# Altium PCB STM32F207VC.PcbDoc (part 5 of 16) (continued)
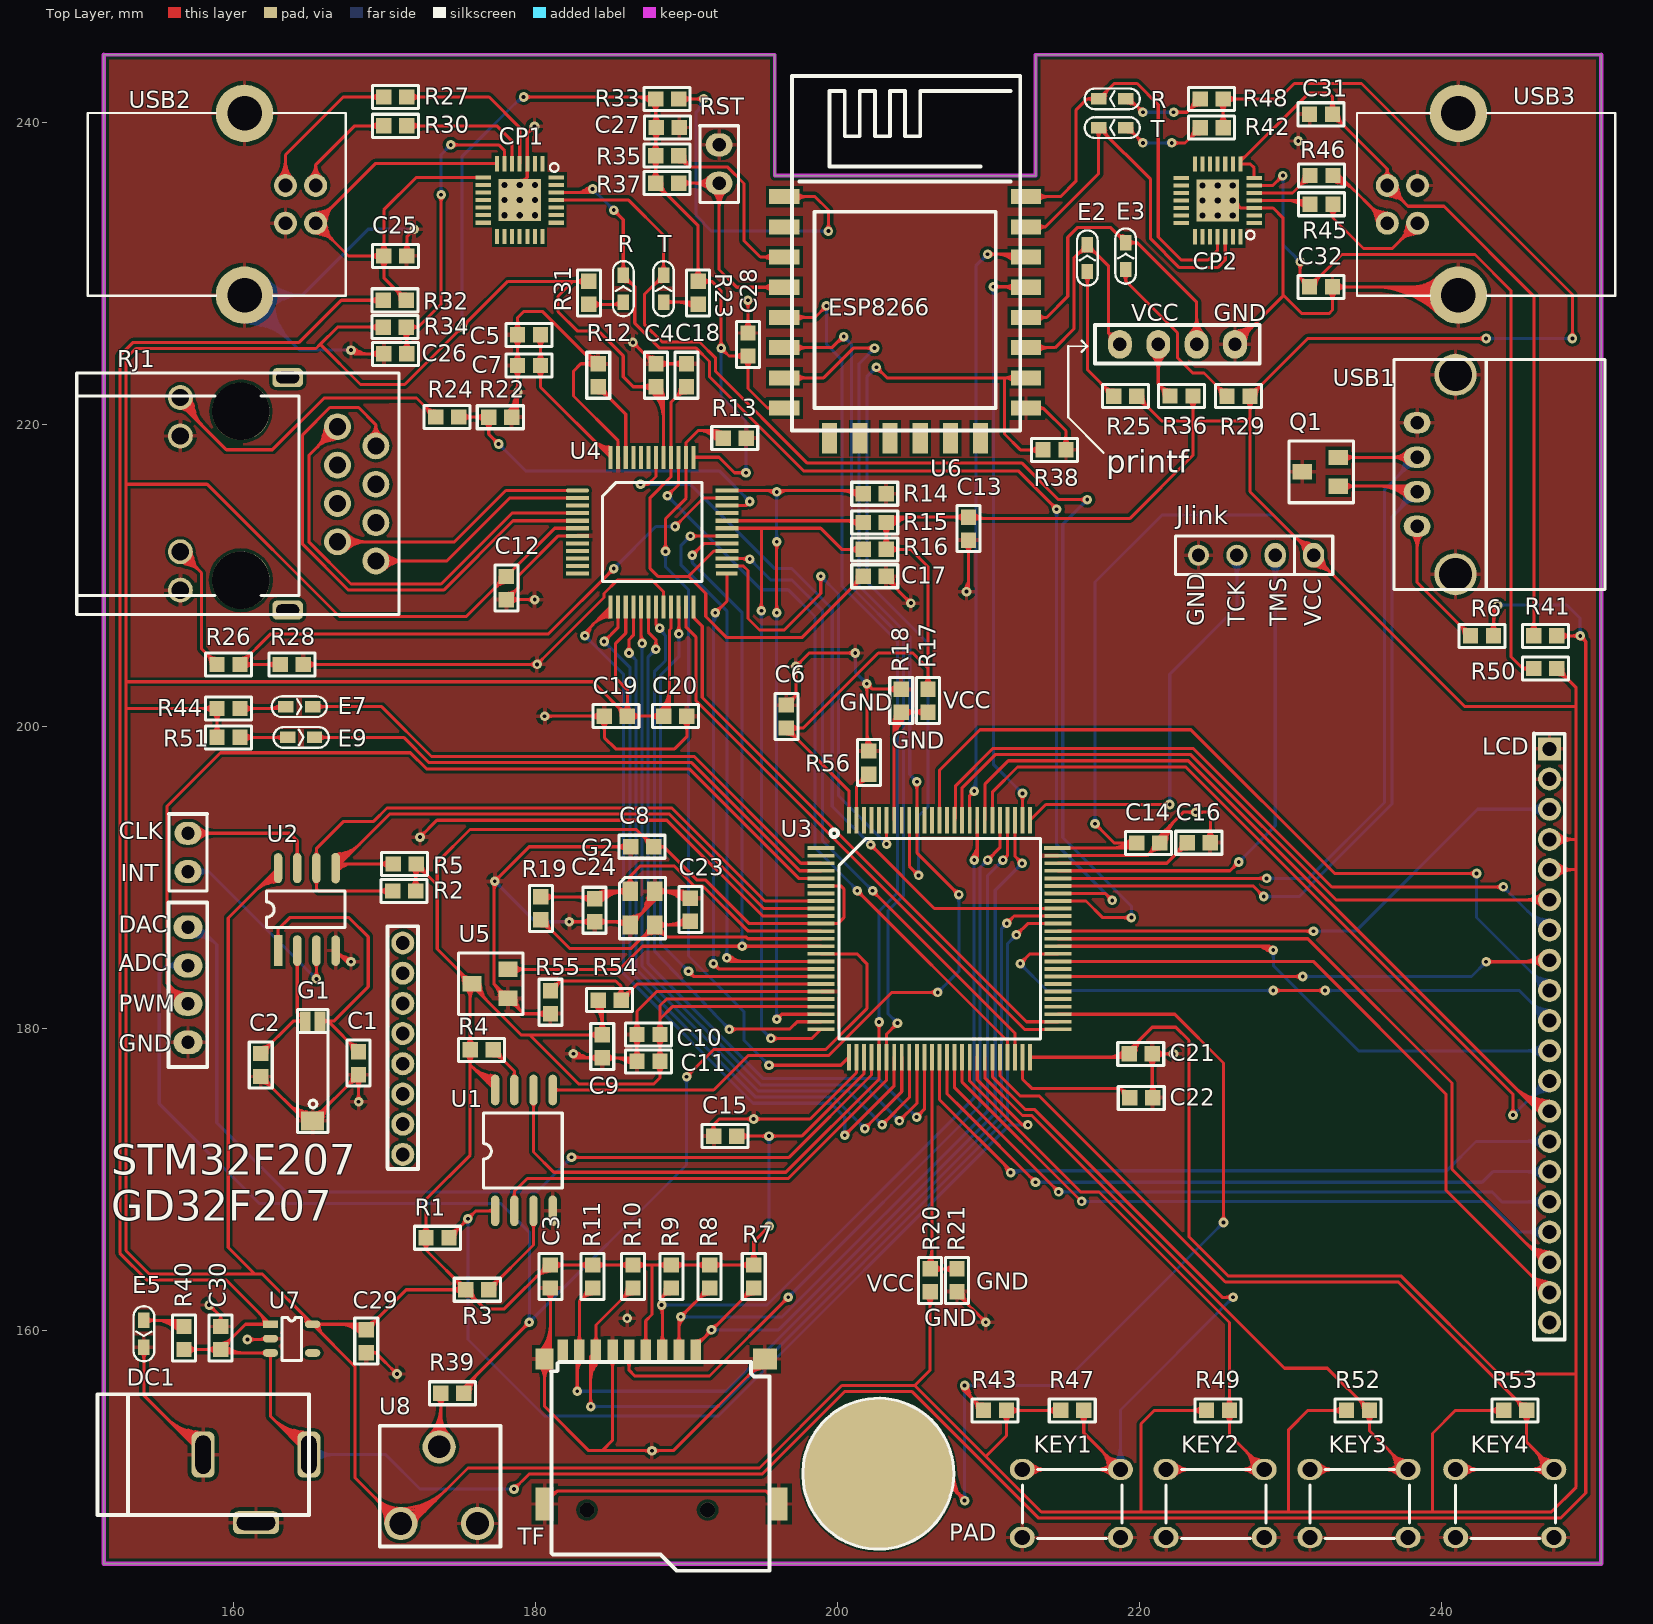
[diagram p0: Top Layer view]
## Nets (pads, with @x,y where several pads share a name; then routed paths per layer and width w, separated by ;. In a path a pad name is that pad's centre, name@x,y a point inside that pad or via, vN(x,y) a via of type N, cw(c..) or ccw(c..) an arc to the next point about the centre after c; other vN are vias at no path point) (continued)
cw(c186.15,177.249) C11.2@186.707,177.806 ; 186.17,177.89 cw(c186.014,177.62) C11.2@186.315,177.701 ; 186.17,177.89 cw(c186.014,177.62) C11.2@186.315,177.701 ; 186.17,177.89 cw(c186.014,177.62) C11.2@186.315,177.701 ; 186.17,177.89 cw(c186.014,177.62) C11.2@186.315,177.701 ; 186.17,177.89 cw(c186.014,177.62) C11.2@186.315,177.701 ; 186.17,177.89 cw(c186.014,177.62) C11.2@186.315,177.701 ; G2.2@186.258,186.969 cw(c187.064,186.718) 186.846,187.533 ; G2.2@186.258,186.969 cw(c187.064,186.718) 186.846,187.533 ; G2.2@186.258,186.969 cw(c187.064,186.718) 186.846,187.533 ; G2.2@186.258,186.969 cw(c187.064,186.718) 186.846,187.533 ; G2.2@186.258,186.969 cw(c187.064,186.718) 186.846,187.533 ; G2.2@186.258,186.969 cw(c187.064,186.718) 186.846,187.533 ; G2.2@186.258,187.173 ccw(c186.258,187.97) 186.822,187.406 ; G2.2@186.258,187.173 ccw(c186.258,187.97) 186.822,187.406 ; G2.2@186.258,187.173 ccw(c186.258,187.97) 186.822,187.406 ; G2.2@186.258,187.173 ccw(c186.258,187.97) 186.822,187.406 ; G2.2@186.258,187.376 ccw(c186.258,188.664) 187.169,187.753 ; G2.2@186.258,187.376 ccw(c186.258,188.664) 187.169,187.753 ; G2.2@186.258,187.376 ccw(c186.258,188.664) 187.169,187.753 ; G2.2@186.258,187.376 ccw(c186.258,188.664) 187.169,187.753 ; C11.2@186.42,178.093 ccw(c185.726,178.787) 186.707,178.787 ; C11.2@186.42,178.093 ccw(c185.726,178.787) 186.707,178.787 ; C11.2@186.42,178.093 ccw(c185.726,178.787) 186.707,178.787 ; C11.2@186.42,178.093 ccw(c185.726,178.787) 186.707,178.787 ; C10.2@186.42,179.297 cw(c185.726,178.603) 186.707,178.603 ; C10.2@186.42,179.297 cw(c185.726,178.603) 186.707,178.603 ; C10.2@186.42,179.297 cw(c185.726,178.603) 186.707,178.603 ; C10.2@186.42,179.297 cw(c185.726,178.603) 186.707,178.603 ; C10.2@186.42,179.871 ccw(c185.726,180.565) 186.707,180.565 ; C10.2@186.42,179.871 ccw(c185.726,180.565) 186.707,180.565 ; C10.2@186.42,179.871 ccw(c185.726,180.565) 186.707,180.565 ; C10.2@186.42,179.871 ccw(c185.726,180.565) 186.707,180.565 ; v1@186.433,225.413 cw(c186.356,225.033) 186.73,225.133 ; v1@186.433,225.413 cw(c186.356,225.033) 186.73,225.133 ; v1@186.433,225.413 cw(c186.356,225.033) 186.73,225.133 ; v1@186.433,225.413 cw(c186.356,225.033) 186.73,225.133 ; v1@186.433,225.413 cw(c186.356,225.033) 186.73,225.133 ; v1@186.433,225.413 cw(c186.356,225.033) 186.73,225.133 ; v1@186.436,225.209 cw(c186.436,224.688) 186.805,225.056 ; v1@186.436,225.209 cw(c186.436,224.688) 186.805,225.056 ; v1@186.436,225.209 cw(c186.436,224.688) 186.805,225.056 ; v1@186.436,225.209 cw(c186.436,224.688) 186.805,225.056 ; v1@186.448,225.428 ccw(c186.828,225.505) 186.728,225.131 ; v1@186.448,225.428 ccw(c186.828,225.505) 186.728,225.131 ; v1@186.448,225.428 ccw(c186.828,225.505) 186.728,225.131 ; v1@186.448,225.428 ccw(c186.828,225.505) 186.728,225.131 ; v1@186.448,225.428 ccw(c186.828,225.505) 186.728,225.131 ; v1@186.448,225.428 ccw(c186.828,225.505) 186.728,225.131 ; v1@186.652,225.425 ccw(c187.173,225.425) 186.805,225.056 ; v1@186.652,225.425 ccw(c187.173,225.425) 186.805,225.056 ; v1@186.652,225.425 ccw(c187.173,225.425) 186.805,225.056 ; v1@186.652,225.425 ccw(c187.173,225.425) 186.805,225.056 ; G2.2@186.665,186.969 cw(c187.339,186.969) 186.862,187.446 ; G2.2@186.665,186.969 cw(c187.339,186.969) 186.862,187.446 ; G2.2@186.665,186.969 cw(c187.339,186.969) 186.862,187.446 ; G2.2@186.665,186.969 cw(c187.339,186.969) 186.862,187.446 ; 186.707,178.603 cw(c187.689,178.603) C10.2@186.995,179.297 ; 186.707,178.603 cw(c187.689,178.603) C10.2@186.995,179.297 ; 186.707,178.603 cw(c187.689,178.603) C10.2@186.995,179.297 ; 186.707,178.603 cw(c187.689,178.603) C10.2@186.995,179.297 ; 186.707,178.787 ccw(c187.689,178.787) C11.2@186.995,178.093 ; 186.707,178.787 ccw(c187.689,178.787) C11.2@186.995,178.093 ; 186.707,178.787 ccw(c187.689,178.787) C11.2@186.995,178.093 ; 186.707,178.787 ccw(c187.689,178.787) C11.2@186.995,178.093 ; 186.707,180.565 ccw(c187.689,180.565) C10.2@186.995,179.871 ; 186.707,180.565 ccw(c187.689,180.565) C10.2@186.995,179.871 ; 186.707,180.565 ccw(c187.689,180.565) C10.2@186.995,179.871 ; 186.707,180.565 ccw(c187.689,180.565) C10.2@186.995,179.871 ; 186.849,187.433 ccw(c185.331,188.951) G2.4@187.477,188.951 ; 186.849,187.433 ccw(c185.331,188.951) G2.4@187.477,188.951 ; 186.849,187.433 ccw(c185.331,188.951) G2.4@187.477,188.951 ; 186.849,187.433 ccw(c185.331,188.951) G2.4@187.477,188.951 ; 187.075,224.786 ccw(c187.966,225.677) C4.2@187.966,224.417 ; 187.075,224.786 ccw(c187.966,225.677) C4.2@187.966,224.417 ; 187.075,224.786 ccw(c187.966,225.677) C4.2@187.966,224.417 ; 187.075,224.786 ccw(c187.966,225.677) C4.2@187.966,224.417 ; 187.185,152.019 cw(c187.185,151.498) v1@187.553,151.866 ; 187.185,152.019 ccw(c187.185,152.54) v1@187.553,152.172 ; 187.185,152.019 cw(c187.185,151.498) v1@187.553,151.866 ; 187.185,152.019 ccw(c187.185,152.54) v1@187.553,152.172 ; 187.185,152.019 ccw(c187.185,152.54) v1@187.553,152.172 ; 187.185,152.019 cw(c187.185,151.498) v1@187.553,151.866 ; 187.185,152.019 ccw(c187.185,152.54) v1@187.553,152.172 ; 187.185,152.019 cw(c187.185,151.498) v1@187.553,151.866 ; 187.196,187.78 ccw(c186.025,188.951) G2.4@187.681,188.951 ; 187.196,187.78 ccw(c186.025,188.951) G2.4@187.681,188.951 ; 187.196,187.78 ccw(c186.025,188.951) G2.4@187.681,188.951 ; 187.196,187.78 ccw(c186.025,188.951) G2.4@187.681,188.951 ; 187.264,188.152 cw(c188.521,187.816) G2.4@187.884,188.951 ; 187.264,188.152 cw(c188.521,187.816) G2.4@187.884,188.951 ; 187.264,188.152 cw(c188.521,187.816) G2.4@187.884,188.951 ; 187.264,188.152 cw(c188.521,187.816) G2.4@187.884,188.951 ; 187.264,188.152 cw(c188.521,187.816) G2.4@187.884,188.951 ; 187.264,188.152 cw(c188.521,187.816) G2.4@187.884,188.951 ; 187.354,224.507 cw(c186.857,224.011) C4.2@187.56,224.011 ; 187.354,224.507 cw(c186.857,224.011) C4.2@187.56,224.011 ; 187.354,224.507 cw(c186.857,224.011) C4.2@187.56,224.011 ; 187.354,224.507 cw(c186.857,224.011) C4.2@187.56,224.011 ; 187.385,224.573 cw(c187.17,223.769) C4.2@187.966,224.011 ; 187.385,224.573 cw(c187.17,223.769) C4.2@187.966,224.011 ; 187.385,224.573 cw(c187.17,223.769) C4.2@187.966,224.011 ; 187.385,224.573 cw(c187.17,223.769) C4.2@187.966,224.011 ; 187.385,224.573 cw(c187.17,223.769) C4.2@187.966,224.011 ; 187.385,224.573 cw(c187.17,223.769) C4.2@187.966,224.011 ; G2.4@187.388,188.618 cw(c188.191,188.403) G2.4@187.784,189.128 ; G2.4@187.388,188.618 cw(c188.191,188.403) G2.4@187.784,189.128 ; G2.4@187.388,188.618 cw(c188.191,188.403) G2.4@187.784,189.128 ; G2.4@187.388,188.618 cw(c188.191,188.403) G2.4@187.784,189.128 ; G2.4@187.388,188.618 cw(c188.191,188.403) G2.4@187.784,189.128 ; G2.4@187.388,188.618 cw(c188.191,188.403) G2.4@187.784,189.128 ; 187.422,224.439 ccw(c187.966,224.983) C4.2@187.966,224.214 ; 187.422,224.439 ccw(c187.966,224.983) C4.2@187.966,224.214 ; 187.422,224.439 ccw(c187.966,224.983) C4.2@187.966,224.214 ; 187.422,224.439 ccw(c187.966,224.983) C4.2@187.966,224.214 ; 187.48,188.201 cw(c188.306,187.98) G2.4@187.965,188.764 ; 187.48,188.201 cw(c188.306,187.98) G2.4@187.965,188.764 ; 187.48,188.201 cw(c188.306,187.98) G2.4@187.965,188.764 ; 187.48,188.201 cw(c188.306,187.98) G2.4@187.965,188.764 ; 187.48,188.201 cw(c188.306,187.98) G2.4@187.965,188.764 ; 187.48,188.201 cw(c188.306,187.98) G2.4@187.965,188.764 ; G2.4@187.532,188.747 cw(c187.263,188.592) G2.4@187.563,188.511 ; G2.4@187.532,188.747 cw(c187.263,188.592) G2.4@187.563,188.511 ; G2.4@187.532,188.747 cw(c187.263,188.592) G2.4@187.563,188.511 ; G2.4@187.532,188.747 cw(c187.263,188.592) G2.4@187.563,188.511 ; G2.4@187.532,188.747 cw(c187.263,188.592) G2.4@187.563,188.511 ; G2.4@187.532,188.747 cw(c187.263,188.592) G2.4@187.563,188.511 ; 187.543,188.127 ccw(c186.719,188.951) G2.4@187.884,188.951 ; 187.543,188.127 ccw(c186.719,188.951) G2.4@187.884,188.951 ; 187.543,188.127 ccw(c186.719,188.951) G2.4@187.884,188.951 ; 187.543,188.127 ccw(c186.719,188.951) G2.4@187.884,188.951 ; G2.4@187.639,188.626 cw(c187.492,188.431) 187.728,188.368 ; G2.4@187.639,188.626 cw(c187.492,188.431) 187.728,188.368 ; G2.4@187.639,188.626 cw(c187.492,188.431) 187.728,188.368 ; G2.4@187.639,188.626 cw(c187.492,188.431) 187.728,188.368 ; G2.4@187.639,188.626 cw(c187.492,188.431) 187.728,188.368 ; G2.4@187.639,188.626 cw(c187.492,188.431) 187.728,188.368 ; 187.728,188.368 cw(c187.964,188.305) G2.4@187.934,188.547 ; 187.728,188.368 cw(c187.964,188.305) G2.4@187.934,188.547 ; 187.728,188.368 cw(c187.964,188.305) G2.4@187.934,188.547 ; 187.728,188.368 cw(c187.964,188.305) G2.4@187.934,188.547 ; 187.728,188.368 cw(c187.964,188.305) G2.4@187.934,188.547 ; 187.728,188.368 cw(c187.964,188.305) G2.4@187.934,188.547 ; C4.2@187.738,224.478 cw(c187.582,223.894) C4.2@188.16,224.07 ; C4.2@187.738,224.478 cw(c187.582,223.894) C4.2@188.16,224.07 ; C4.2@187.738,224.478 cw(c187.582,223.894) C4.2@188.16,224.07 ; C4.2@187.738,224.478 cw(c187.582,223.894) C4.2@188.16,224.07 ; C4.2@187.738,224.478 cw(c187.582,223.894) C4.2@188.16,224.07 ; C4.2@187.738,224.478 cw(c187.582,223.894) C4.2@188.16,224.07 ; v1@187.859,151.866 cw(c188.227,151.498) 188.227,152.019 ; v1@187.859,151.866 cw(c188.227,151.498) 188.227,152.019 ; v1@187.859,151.866 cw(c188.227,151.498) 188.227,152.019 ; v1@187.859,151.866 cw(c188.227,151.498) 188.227,152.019 ; v1@187.859,152.172 ccw(c188.227,152.54) 188.227,152.019 ; v1@187.859,152.172 ccw(c188.227,152.54) 188.227,152.019 ; v1@187.859,152.172 ccw(c188.227,152.54) 188.227,152.019 ; v1@187.859,152.172 ccw(c188.227,152.54) 188.227,152.019 ; G2.4@188.136,189.078 cw(c188.136,186.508) C23.1@189.953,188.325 ; G2.4@188.136,189.078 cw(c188.136,186.508) C23.1@189.953,188.325 ; G2.4@188.136,189.078 cw(c188.136,186.508) C23.1@189.953,188.325 ; G2.4@188.136,189.078 cw(c188.136,186.508) C23.1@189.953,188.325 ; G2.4@188.171,188.79 cw(c188.865,188.096) 188.865,189.078 ; G2.4@188.171,188.79 cw(c188.865,188.096) 188.865,189.078 ; G2.4@188.171,188.79 cw(c188.865,188.096) 188.865,189.078 ; G2.4@188.171,188.79 cw(c188.865,188.096) 188.865,189.078 ; G2.4@188.171,189.365 ccw(c188.865,190.059) 188.865,189.078 ; G2.4@188.171,189.365 ccw(c188.865,190.059) 188.865,189.078 ; G2.4@188.171,189.365 ccw(c188.865,190.059) 188.865,189.078 ; G2.4@188.171,189.365 ccw(c188.865,190.059) 188.865,189.078 ; G2.4@188.215,189.185 ccw(c188.549,189.422) 188.48,189.019 ; G2.4@188.215,189.185 ccw(c188.549,189.422) 188.48,189.019 ; G2.4@188.215,189.185 ccw(c188.549,189.422) 188.48,189.019 ; G2.4@188.215,189.185 ccw(c188.549,189.422) 188.48,189.019 ; G2.4@188.215,189.185 ccw(c188.549,189.422) 188.48,189.019 ; G2.4@188.215,189.185 ccw(c188.549,189.422) 188.48,189.019 ; G2.4@188.215,189.185 ccw(c188.549,189.422) 188.48,189.019 ; G2.4@188.215,189.185 ccw(c188.549,189.422) 188.48,189.019 ; C4.2@188.253,223.723 cw(c188.947,223.029) 188.947,224.011 ; C4.2@188.253,223.723 cw(c188.947,223.029) 188.947,224.011 ; C4.2@188.253,223.723 cw(c188.947,223.029) 188.947,224.011 ; C4.2@188.253,223.723 cw(c188.947,223.029) 188.947,224.011 ; C4.2@188.253,224.298 ccw(c188.947,224.992) 188.947,224.011 ; C4.2@188.253,224.298 ccw(c188.947,224.992) 188.947,224.011 ; C4.2@188.253,224.298 ccw(c188.947,224.992) 188.947,224.011 ; C4.2@188.253,224.298 ccw(c188.947,224.992) 188.947,224.011 ; G2.4@188.278,188.854 cw(c188.484,188.803) 188.52,189.012 ; G2.4@188.278,188.854 cw(c188.484,188.803) 188.52,189.012 ; G2.4@188.278,188.854 cw(c188.484,188.803) 188.52,189.012 ; G2.4@188.278,188.854 cw(c188.484,188.803) 188.52,189.012 ; G2.4@188.278,188.854 cw(c188.484,188.803) 188.52,189.012 ; G2.4@188.278,188.854 cw(c188.484,188.803) 188.52,189.012 ; G2.4@188.278,188.854 cw(c188.484,188.803) 188.52,189.012 ; G2.4@188.278,188.854 cw(c188.484,188.803) 188.52,189.012 ; 188.626,189.078 cw(c188.626,186.999) C23.1@190.096,188.469 ; 188.626,189.078 cw(c188.626,186.999) C23.1@190.096,188.469 ; 188.626,189.078 cw(c188.626,186.999) C23.1@190.096,188.469 ; 188.626,189.078 cw(c188.626,186.999) C23.1@190.096,188.469 ; 189.005,224.011 cw(c189.005,223.029) C18.1@189.699,223.723 ; 189.005,224.011 ccw(c189.005,224.992) C18.1@189.699,224.298 ; 189.005,224.011 cw(c189.005,223.029) C18.1@189.699,223.723 ; 189.005,224.011 ccw(c189.005,224.992) C18.1@189.699,224.298 ; 189.005,224.011 ccw(c189.005,224.992) C18.1@189.699,224.298 ; 189.005,224.011 cw(c189.005,223.029) C18.1@189.699,223.723 ; 189.005,224.011 ccw(c189.005,224.992) C18.1@189.699,224.298 ; 189.005,224.011 cw(c189.005,223.029) C18.1@189.699,223.723 ; 189.117,189.078 cw(c189.117,187.489) C23.1@190.24,188.612 ; 189.117,189.078 cw(c189.117,187.489) C23.1@190.24,188.612 ; 189.117,189.078 cw(c189.117,187.489) C23.1@190.24,188.612 ; 189.117,189.078 cw(c189.117,187.489) C23.1@190.24,188.612 ; 189.263,188.95 ccw(c189.638,189.599) C23.1@190.028,188.959 ; 189.263,188.95 ccw(c189.638,189.599) C23.1@190.028,188.959 ; 189.263,188.95 ccw(c189.638,189.599) C23.1@190.028,188.959 ; 189.263,188.95 ccw(c189.638,189.599) C23.1@190.028,188.959 ; 189.263,188.95 ccw(c189.638,189.599) C23.1@190.028,188.959 ; 189.263,188.95 ccw(c189.638,189.599) C23.1@190.028,188.959 ; 189.331,188.758 ccw(c189.573,189.105) C23.1@189.913,188.854 ; 189.331,188.758 ccw(c189.573,189.105) C23.1@189.913,188.854 ; 189.331,188.758 ccw(c189.573,189.105) C23.1@189.913,188.854 ; 189.331,188.758 ccw(c189.573,189.105) C23.1@189.913,188.854 ; 189.331,188.758 ccw(c189.573,189.105) C23.1@189.913,188.854 ; 189.331,188.758 ccw(c189.573,189.105) C23.1@189.913,188.854 ; 189.503,188.638 ccw(c189.741,188.981) C23.1@190.077,188.733 ; 189.503,188.638 ccw(c189.741,188.981) C23.1@190.077,188.733 ; 189.503,188.638 ccw(c189.741,188.981) C23.1@190.077,188.733 ; 189.503,188.638 ccw(c189.741,188.981) C23.1@190.077,188.733 ; 189.503,188.638 ccw(c189.741,188.981) C23.1@190.077,188.733 ; 189.503,188.638 ccw(c189.741,188.981) C23.1@190.077,188.733 ; 189.528,189.023 cw(c189.214,188.479) C23.1@189.837,188.56 ; 189.528,189.023 ccw(c189.842,189.568) C23.1@190.084,188.988 ; 189.528,189.023 cw(c189.214,188.479) C23.1@189.837,188.56 ; 189.528,189.023 ccw(c189.842,189.568) C23.1@190.084,188.988 ; 189.528,189.023 cw(c189.214,188.479) C23.1@189.837,188.56 ; 189.528,189.023 ccw(c189.842,189.568) C23.1@190.084,188.988 ; 189.528,189.023 ccw(c189.842,189.568) C23.1@190.084,188.988 ; 189.528,189.023 cw(c189.214,188.479) C23.1@189.837,188.56 ; 189.528,189.023 ccw(c189.842,189.568) C23.1@190.084,188.988 ; 189.528,189.023 cw(c189.214,188.479) C23.1@189.837,188.56 ; 189.528,189.023 ccw(c189.842,189.568) C23.1@190.084,188.988 ; 189.528,189.023 cw(c189.214,188.479) C23.1@189.837,188.56 ; 189.559,188.779 ccw(c189.841,189.266) C23.1@190.134,188.786 ; 189.559,188.779 ccw(c189.841,189.266) C23.1@190.134,188.786 ; 189.559,188.779 ccw(c189.841,189.266) C23.1@190.134,188.786 ; 189.559,188.779 ccw(c189.841,189.266) C23.1@190.134,188.786 ; 189.559,188.779 ccw(c189.841,189.266) C23.1@190.134,188.786 ; 189.559,188.779 ccw(c189.841,189.266) C23.1@190.134,188.786 ; 189.607,189.078 cw(c189.607,187.98) C23.1@190.384,188.756 ; 189.607,189.078 cw(c189.607,187.98) C23.1@190.384,188.756 ; 189.607,189.078 cw(c189.607,187.98) C23.1@190.384,188.756 ; 189.607,189.078 cw(c189.607,187.98) C23.1@190.384,188.756 ; 189.674,188.519 ccw(c189.909,188.857) C23.1@190.24,188.612 ; 189.674,188.519 ccw(c189.909,188.857) C23.1@190.24,188.612 ; 189.674,188.519 ccw(c189.909,188.857) C23.1@190.24,188.612 ; 189.674,188.519 ccw(c189.909,188.857) C23.1@190.24,188.612 ; 189.674,188.519 ccw(c189.909,188.857) C23.1@190.24,188.612 ; 189.674,188.519 ccw(c189.909,188.857) C23.1@190.24,188.612 ; 189.703,188.696 cw(c189.547,188.427) C23.1@189.847,188.507 ; 189.703,188.696 cw(c189.547,188.427) C23.1@189.847,188.507 ; 189.703,188.696 cw(c189.547,188.427) C23.1@189.847,188.507 ; 189.703,188.696 cw(c189.547,188.427) C23.1@189.847,188.507 ; 189.703,188.696 cw(c189.547,188.427) C23.1@189.847,188.507 ; 189.703,188.696 cw(c189.547,188.427) C23.1@189.847,188.507 ; C20.1@189.722,200.379 cw(c189.028,199.685) 190.009,199.685 ; C20.1@189.722,200.379 cw(c189.028,199.685) 190.009,199.685 ; C20.1@189.722,200.379 cw(c189.028,199.685) 190.009,199.685 ; C20.1@189.722,200.379 cw(c189.028,199.685) 190.009,199.685 ; 189.723,188.838 ccw(c190.098,188.993) C23.1@190.24,188.612 ; 189.723,188.838 ccw(c190.098,188.993) C23.1@190.24,188.612 ; 189.723,188.838 ccw(c190.098,188.993) C23.1@190.24,188.612 ; 189.723,188.838 ccw(c190.098,188.993) C23.1@190.24,188.612 ; 190.009,199.685 cw(c190.991,199.685) C20.1@190.297,200.379 ; 190.009,199.685 cw(c190.991,199.685) C20.1@190.297,200.379 ; 190.009,199.685 cw(c190.991,199.685) C20.1@190.297,200.379 ; 190.009,199.685 cw(c190.991,199.685) C20.1@190.297,200.379 ; C15.2@191.557,173.188 ccw(c191.255,173.626) 191.787,173.626 ; C15.2@191.557,173.188 ccw(c191.255,173.626) 191.787,173.626 ; C15.2@191.557,173.188 ccw(c191.255,173.626) 191.787,173.626 ; C15.2@191.557,173.188 ccw(c191.255,173.626) 191.787,173.626 ; 191.787,173.626 ccw(c192.32,173.626) C15.2@192.018,173.188 ; 191.787,173.626 ccw(c192.32,173.626) C15.2@192.018,173.188 ; 191.787,173.626 ccw(c192.32,173.626) C15.2@192.018,173.188 ; 191.787,173.626 ccw(c192.32,173.626) C15.2@192.018,173.188 ; C28.2@193.775,226.33 ccw(c193.095,227.009) 194.056,227.009 ; C28.2@193.775,226.33 ccw(c193.095,227.009) 194.056,227.009 ; C28.2@193.775,226.33 ccw(c193.095,227.009) 194.056,227.009 ; C28.2@193.775,226.33 ccw(c193.095,227.009) 194.056,227.009 ; v1@193.903,228.066 cw(c193.535,227.698) 194.056,227.698 ; v1@193.903,228.066 cw(c193.535,227.698) 194.056,227.698 ; v1@193.903,228.066 cw(c193.535,227.698) 194.056,227.698 ; v1@193.903,228.066 cw(c193.535,227.698) 194.056,227.698 ; 193.916,173.99 cw(c193.916,173.469) v1@194.284,173.837 ; 193.916,173.99 ccw(c193.916,174.511) v1@194.284,174.143 ; 193.916,173.99 cw(c193.916,173.469) v1@194.284,173.837 ; 193.916,173.99 ccw(c193.916,174.511) v1@194.284,174.143 ; 193.916,173.99 ccw(c193.916,174.511) v1@194.284,174.143 ; 193.916,173.99 cw(c193.916,173.469) v1@194.284,173.837 ; 193.916,173.99 ccw(c193.916,174.511) v1@194.284,174.143 ; 193.916,173.99 cw(c193.916,173.469) v1@194.284,173.837 ; 193.999,156.901 ccw(c192.807,158.093) TF.13@194.493,158.093 ; 193.999,156.901 ccw(c192.807,158.093) TF.13@194.493,158.093 ; 193.999,156.901 ccw(c192.807,158.093) TF.13@194.493,158.093 ; 193.999,156.901 ccw(c192.807,158.093) TF.13@194.493,158.093 ; 194.056,227.038 ccw(c195.057,227.038) C28.2@194.349,226.33 ; 194.056,227.038 ccw(c195.057,227.038) C28.2@194.349,226.33 ; 194.056,227.038 ccw(c195.057,227.038) C28.2@194.349,226.33 ; 194.056,227.038 ccw(c195.057,227.038) C28.2@194.349,226.33 ; 194.056,227.698 cw(c194.577,227.698) v1@194.209,228.066 ; 194.056,227.698 cw(c194.577,227.698) v1@194.209,228.066 ; 194.056,227.698 cw(c194.577,227.698) v1@194.209,228.066 ; 194.056,227.698 cw(c194.577,227.698) v1@194.209,228.066 ; 194.24,157.142 cw(c195.091,156.291) TF.13@195.091,157.495 ; 194.24,157.142 cw(c195.091,156.291) TF.13@195.091,157.495 ; 194.24,157.142 cw(c195.091,156.291) TF.13@195.091,157.495 ; 194.24,157.142 cw(c195.091,156.291) TF.13@195.091,157.495 ; 194.28,157.298 cw(c195.378,157.004) TF.13@195.088,158.104 ; 194.28,157.298 cw(c195.378,157.004) TF.13@195.088,158.104 ; 194.28,157.298 cw(c195.378,157.004) TF.13@195.088,158.104 ; 194.28,157.298 cw(c195.378,157.004) TF.13@195.088,158.104 ; 194.28,157.298 cw(c195.378,157.004) TF.13@195.088,158.104 ; 194.28,157.298 cw(c195.378,157.004) TF.13@195.088,158.104 ; 194.346,157.248 ccw(c193.5,158.093) TF.13@194.696,158.093 ; 194.346,157.248 ccw(c193.5,158.093) TF.13@194.696,158.093 ; 194.346,157.248 ccw(c193.5,158.093) TF.13@194.696,158.093 ; 194.346,157.248 ccw(c193.5,158.093) TF.13@194.696,158.093 ; 194.37,157.637 cw(c195.275,157.394) TF.13@195.036,158.3 ; 194.37,157.637 cw(c195.275,157.394) TF.13@195.036,158.3 ; 194.37,157.637 cw(c195.275,157.394) TF.13@195.036,158.3 ; 194.37,157.637 cw(c195.275,157.394) TF.13@195.036,158.3 ; 194.37,157.637 cw(c195.275,157.394) TF.13@195.036,158.3 ; 194.37,157.637 cw(c195.275,157.394) TF.13@195.036,158.3 ; 194.413,157.313 ccw(c194.169,158.223) TF.13@195.102,158.091 ; 194.413,157.313 ccw(c194.169,158.223) TF.13@195.102,158.091 ; 194.413,157.313 ccw(c194.169,158.223) TF.13@195.102,158.091 ; 194.413,157.313 ccw(c194.169,158.223) TF.13@195.102,158.091 ; 194.413,157.313 ccw(c194.169,158.223) TF.13@195.102,158.091 ; 194.413,157.313 ccw(c194.169,158.223) TF.13@195.102,158.091 ; TF.13@194.587,157.489 cw(c195.091,156.985) TF.13@195.091,157.698 ; TF.13@194.587,157.489 cw(c195.091,156.985) TF.13@195.091,157.698 ; TF.13@194.587,157.489 cw(c195.091,156.985) TF.13@195.091,157.698 ; TF.13@194.587,157.489 cw(c195.091,156.985) TF.13@195.091,157.698 ; v1@194.59,173.837 cw(c194.958,173.469) 194.958,173.99 ; v1@194.59,173.837 cw(c194.958,173.469) 194.958,173.99 ; v1@194.59,173.837 cw(c194.958,173.469) 194.958,173.99 ; v1@194.59,173.837 cw(c194.958,173.469) 194.958,173.99 ; v1@194.59,174.143 ccw(c194.958,174.511) 194.958,173.99 ; v1@194.59,174.143 ccw(c194.958,174.511) 194.958,173.99 ; v1@194.59,174.143 ccw(c194.958,174.511) 194.958,173.99 ; v1@194.59,174.143 ccw(c194.958,174.511) 194.958,173.99 ; 194.71,157.392 ccw(c194.499,158.177) TF.13@195.303,158.063 ; 194.71,157.392 ccw(c194.499,158.177) TF.13@195.303,158.063 ; 194.71,157.392 ccw(c194.499,158.177) TF.13@195.303,158.063 ; 194.71,157.392 ccw(c194.499,158.177) TF.13@195.303,158.063 ; 194.71,157.392 ccw(c194.499,158.177) TF.13@195.303,158.063 ; 194.71,157.392 ccw(c194.499,158.177) TF.13@195.303,158.063 ; 195.232,149.352 ccw(c195.489,149.609) TF.12@195.742,149.349 ; 195.232,149.352 ccw(c195.489,149.609) TF.12@195.742,149.349 ; 195.232,149.352 ccw(c195.489,149.609) TF.12@195.742,149.349 ; 195.232,149.352 ccw(c195.489,149.609) TF.12@195.742,149.349 ; 195.377,149.207 ccw(c195.632,149.462) TF.12@195.885,149.204 ; 195.377,149.207 ccw(c195.632,149.462) TF.12@195.885,149.204 ; 195.377,149.207 ccw(c195.632,149.462) TF.12@195.885,149.204 ; 195.377,149.207 ccw(c195.632,149.462) TF.12@195.885,149.204 ; C6.2@196.631,201.81 ccw(c196.686,202.578) 197.231,202.034 ; C6.2@196.631,201.81 ccw(c196.686,202.578) 197.231,202.034 ; C6.2@196.631,201.81 ccw(c196.686,202.578) 197.231,202.034 ; C6.2@196.631,201.81 ccw(c196.686,202.578) 197.231,202.034 ; C6.2@197.007,201.434 cw(c197.776,201.489) 197.231,202.034 ; C6.2@197.007,201.434 cw(c197.776,201.489) 197.231,202.034 ; C6.2@197.007,201.434 cw(c197.776,201.489) 197.231,202.034 ; C6.2@197.007,201.434 cw(c197.776,201.489) 197.231,202.034 ; v1@197.078,203.809 cw(c196.71,203.441) 197.231,203.441 ; v1@197.078,203.809 cw(c196.71,203.441) 197.231,203.441 ; v1@197.078,203.809 cw(c196.71,203.441) 197.231,203.441 ; v1@197.078,203.809 cw(c196.71,203.441) 197.231,203.441 ; v1@197.228,203.974 ccw(c197.151,204.354) 197.525,204.254 ; v1@197.228,203.974 ccw(c197.151,204.354) 197.525,204.254 ; v1@197.228,203.974 ccw(c197.151,204.354) 197.525,204.254 ; v1@197.228,203.974 ccw(c197.151,204.354) 197.525,204.254 ; v1@197.228,203.974 ccw(c197.151,204.354) 197.525,204.254 ; v1@197.228,203.974 ccw(c197.151,204.354) 197.525,204.254 ; 197.231,203.441 cw(c197.752,203.441) v1@197.384,203.809 ; 197.231,203.441 cw(c197.752,203.441) v1@197.384,203.809 ; 197.231,203.441 cw(c197.752,203.441) v1@197.384,203.809 ; 197.231,203.441 cw(c197.752,203.441) v1@197.384,203.809 ; v1@197.231,204.178 ccw(c197.231,204.699) 197.6,204.331 ; v1@197.231,204.178 ccw(c197.231,204.699) 197.6,204.331 ; v1@197.231,204.178 ccw(c197.231,204.699) 197.6,204.331 ; v1@197.231,204.178 ccw(c197.231,204.699) 197.6,204.331 ; v1@197.243,203.959 cw(c197.623,203.882) 197.523,204.256 ; v1@197.243,203.959 cw(c197.623,203.882) 197.523,204.256 ; v1@197.243,203.959 cw(c197.623,203.882) 197.523,204.256 ; v1@197.243,203.959 cw(c197.623,203.882) 197.523,204.256 ; v1@197.243,203.959 cw(c197.623,203.882) 197.523,204.256 ; v1@197.243,203.959 cw(c197.623,203.882) 197.523,204.256 ; v1@197.447,203.962 cw(c197.968,203.962) 197.6,204.331 ; v1@197.447,203.962 cw(c197.968,203.962) 197.6,204.331 ; v1@197.447,203.962 cw(c197.968,203.962) 197.6,204.331 ; v1@197.447,203.962 cw(c197.968,203.962) 197.6,204.331 ; 200.647,204.851 cw(c200.647,204.33) v1@201.015,204.698 ; 200.647,204.851 ccw(c200.647,205.372) v1@201.015,205.004 ; 200.647,204.851 cw(c200.647,204.33) v1@201.015,204.698 ; 200.647,204.851 ccw(c200.647,205.372) v1@201.015,205.004 ; 200.647,204.851 ccw(c200.647,205.372) v1@201.015,205.004 ; 200.647,204.851 cw(c200.647,204.33) v1@201.015,204.698 ; 200.647,204.851 ccw(c200.647,205.372) v1@201.015,205.004 ; 200.647,204.851 cw(c200.647,204.33) v1@201.015,204.698 ; R56.2@201.776,198.644 ccw(c201.403,199.017) 201.93,199.017 ; R56.2@201.776,198.644 ccw(c201.403,199.017) 201.93,199.017 ; R56.2@201.776,198.644 ccw(c201.403,199.017) 201.93,199.017 ; R56.2@201.776,198.644 ccw(c201.403,199.017) 201.93,199.017 ; v1@201.777,202.666 cw(c201.409,202.298) 201.93,202.298 ; v1@201.777,202.666 cw(c201.409,202.298) 201.93,202.298 ; v1@201.777,202.666 cw(c201.409,202.298) 201.93,202.298 ; v1@201.777,202.666 cw(c201.409,202.298) 201.93,202.298 ; v1@201.927,202.807 cw(c201.84,202.422) 202.222,202.52 ; v1@201.927,202.807 cw(c201.84,202.422) 202.222,202.52 ; v1@201.927,202.807 cw(c201.84,202.422) 202.222,202.52 ; v1@201.927,202.807 cw(c201.84,202.422) 202.222,202.52 ; v1@201.927,202.807 cw(c201.84,202.422) 202.222,202.52 ; v1@201.927,202.807 cw(c201.84,202.422) 202.222,202.52 ; 201.93,199.168 ccw(c202.874,199.168) R56.2@202.207,198.5 ; 201.93,199.168 ccw(c202.874,199.168) R56.2@202.207,198.5 ; 201.93,199.168 ccw(c202.874,199.168) R56.2@202.207,198.5 ; 201.93,199.168 ccw(c202.874,199.168) R56.2@202.207,198.5 ; 201.93,199.659 ccw(c203.365,199.659) R56.2@202.35,198.644 ; 201.93,199.659 ccw(c203.365,199.659) R56.2@202.35,198.644 ; 201.93,199.659 ccw(c203.365,199.659) R56.2@202.35,198.644 ; 201.93,199.659 ccw(c203.365,199.659) R56.2@202.35,198.644 ; 201.93,202.298 cw(c202.451,202.298) v1@202.083,202.666 ; 201.93,202.298 cw(c202.451,202.298) v1@202.083,202.666 ; 201.93,202.298 cw(c202.451,202.298) v1@202.083,202.666 ; 201.93,202.298 cw(c202.451,202.298) v1@202.083,202.666 ; v1@201.932,202.603 cw(c201.937,202.099) 202.294,202.455 ; v1@201.932,202.603 cw(c201.937,202.099) 202.294,202.455 ; v1@201.932,202.603 cw(c201.937,202.099) 202.294,202.455 ; v1@201.932,202.603 cw(c201.937,202.099) 202.294,202.455 ; v1@201.942,202.822 ccw(c202.327,202.909) 202.229,202.527 ; v1@201.942,202.822 ccw(c202.327,202.909) 202.229,202.527 ; v1@201.942,202.822 ccw(c202.327,202.909) 202.229,202.527 ; v1@201.942,202.822 ccw(c202.327,202.909) 202.229,202.527 ; v1@201.942,202.822 ccw(c202.327,202.909) 202.229,202.527 ; v1@201.942,202.822 ccw(c202.327,202.909) 202.229,202.527 ; v1@202.146,202.817 ccw(c202.65,202.812) 202.294,202.455 ; v1@202.146,202.817 ccw(c202.65,202.812) 202.294,202.455 ; v1@202.146,202.817 ccw(c202.65,202.812) 202.294,202.455 ; v1@202.146,202.817 ccw(c202.65,202.812) 202.294,202.455 ; C17.1@203.217,209.531 cw(c203.217,208.912) 203.655,209.349 ; C17.1@203.217,209.531 cw(c203.217,208.912) 203.655,209.349 ; C17.1@203.217,209.531 cw(c203.217,208.912) 203.655,209.349 ; C17.1@203.217,209.531 cw(c203.217,208.912) 203.655,209.349 ; C17.1@203.217,209.937 cw(c202.944,209.11) 203.785,209.336 ; C17.1@203.217,209.937 cw(c202.944,209.11) 203.785,209.336 ; C17.1@203.217,209.937 cw(c202.944,209.11) 203.785,209.336 ; C17.1@203.217,209.937 cw(c202.944,209.11) 203.785,209.336 ; C17.1@203.217,209.937 cw(c202.944,209.11) 203.785,209.336 ; C17.1@203.217,209.937 cw(c202.944,209.11) 203.785,209.336 ; 203.229,202.455 cw(c203.229,201.474) R18.1@203.923,202.168 ; 203.229,202.455 ccw(c203.229,203.437) R18.1@203.923,202.743 ; 203.229,202.455 cw(c203.229,201.474) R18.1@203.923,202.168 ; 203.229,202.455 ccw(c203.229,203.437) R18.1@203.923,202.743 ; 203.229,202.455 ccw(c203.229,203.437) R18.1@203.923,202.743 ; 203.229,202.455 cw(c203.229,201.474) R18.1@203.923,202.168 ; 203.229,202.455 ccw(c203.229,203.437) R18.1@203.923,202.743 ; 203.229,202.455 cw(c203.229,201.474) R18.1@203.923,202.168 ; C17.1@203.281,210.13 cw(c203.086,209.538) C17.1@203.687,209.7 ; C17.1@203.281,210.13 cw(c203.086,209.538) C17.1@203.687,209.7 ; C17.1@203.281,210.13 cw(c203.086,209.538) C17.1@203.687,209.7